# Altium PCB cheriot-test.PcbDoc (part 6 of 10) (continued)
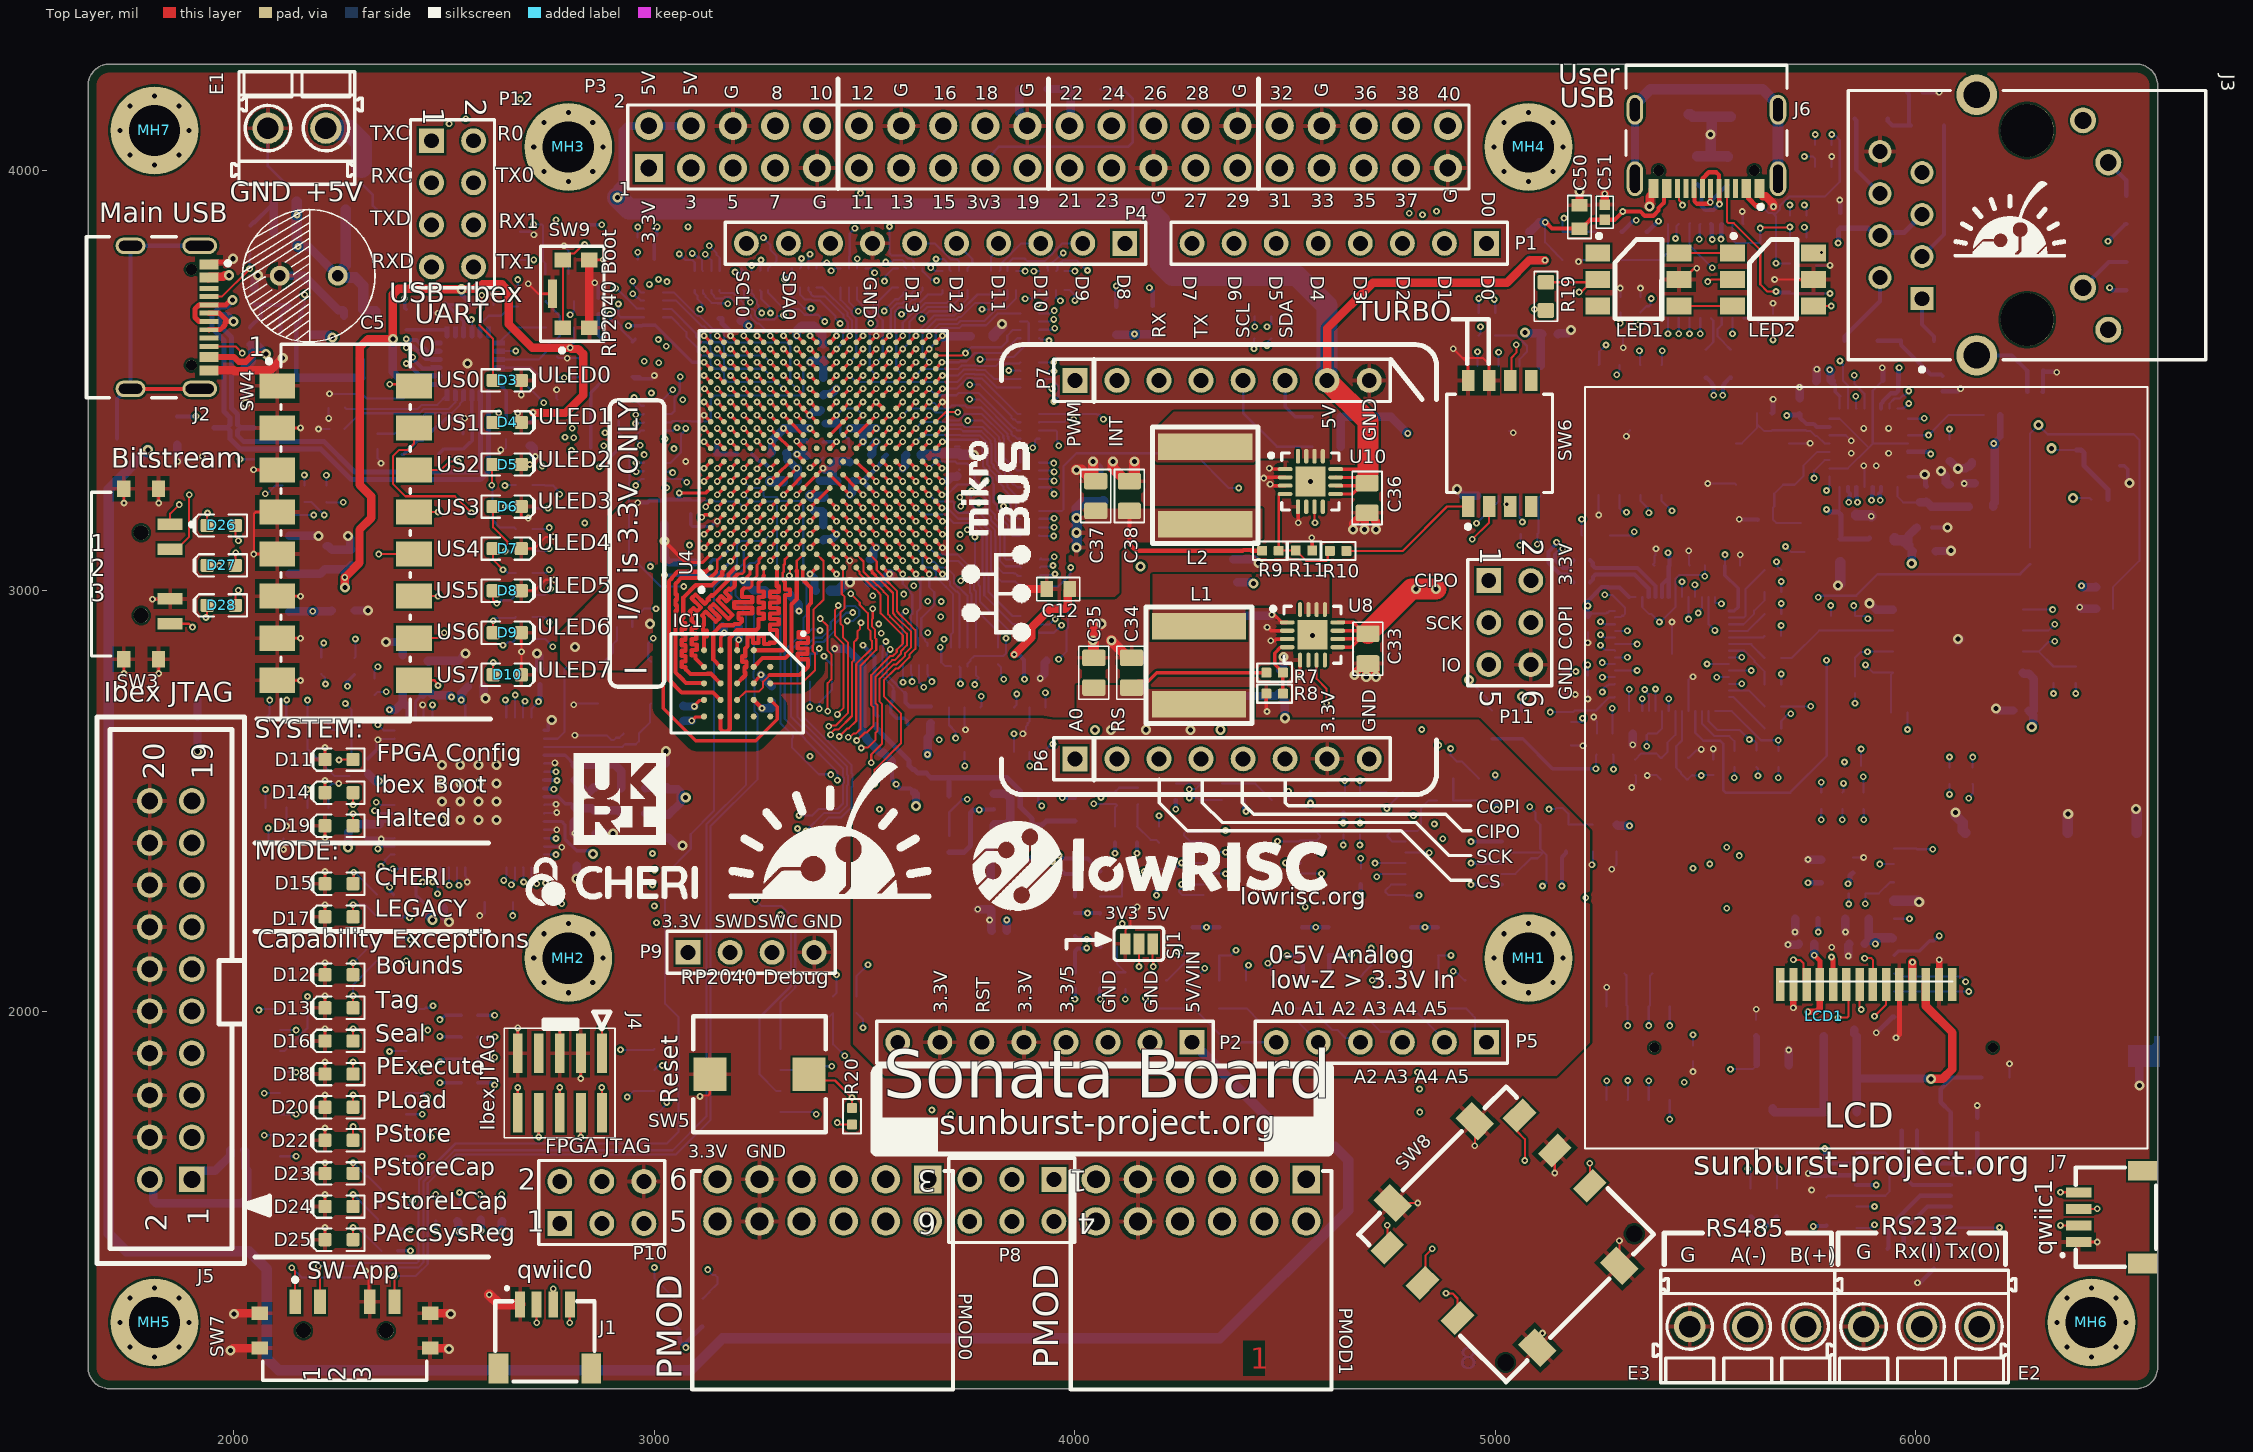
[diagram p0: Top Layer view]
## Nets (pads, with @x,y where several pads share a name; then routed paths per layer and width w, separated by ;. In a path a pad name is that pad's centre, name@x,y a point inside that pad or via, vN(x,y) a via of type N, cw(c..) or ccw(c..) an arc to the next point about the centre after c; other vN are vias at no path point) (continued)
  Bottom Layer w10: C116.1@1722.05,3362.2 1722.05,3455.64 1746.33,3479.92 J2.4@1754.13,3479.92 J2.3@1754.13,3820.08 J2.1@1918.7,3820.08
NetC118_1: C118.1 J3.13 J3.14 R135.1 | length 817.2
  Int3 (Sign) w50: J3.14@6144.49,3559.45 6144.49,3812.08 6158,3825.59 6158,4153.44 6144.49,4166.96 J3.13@6144.49,4179.53
  Bottom Layer w10: J3.14@6144.49,3559.45 6227.95,3559.45 R135.1@6263.78,3523.62 6264.57,3522.83 6264.57,3473.23 C118.1@6265.35,3472.44
NetC119_2: C119.2 R198.1 R204.1 | length 146.9
  Bottom Layer w10: R204.1@5933.07,4122.05 5933.07,4117.05 5943.82,4106.3 R198.1@5988.19,4106.3 5983.86,4110.63 5983.86,4180.71 C119.2@5979.53,4185.04
NetC142_2: C142.2 R196.1 R197.1 | length 194.2
  Bottom Layer w10: R197.1@5909.45,3594.49 R196.1@5964.57,3594.49 5964.57,3584.65 6035.39,3513.82 6059.41,3513.82 C142.2@6062.99,3510.24
NetD3_A: D3.A R138.2 | length 729.5
  Top Layer w5: v1(2589.71,3702.51) 2589.33,3702.13 2589.33,3671.41 2584,3666.08 2584,3631.05 2616.54,3598.51 D3.A@2616.54,3500
  Int6 (Sign) w5: v1(2589.71,3702.51) 2589.33,3702.13 2589.33,3668.88 2584,3663.55 2584,3626 2650,3560 2650,3328.35 2644.5,3322.85 v1(2644.5,3250)
  Bottom Layer w5: v1(2644.5,3250) 2645.63,3251.13 R138.2@2670.65,3251.13
NetD4_A: D4.A R140.2 | length 291.9
  Top Layer w5: D4.A@2616.54,3400 2627.92,3411.39 2627.92,3420.42 v1(2630,3422.5)
  Int6 (Sign) w5: v1(2630,3422.5) 2619,3411.5 2619,3321.25 2629,3311.25 2629,3216.28 v1(2645.28,3200)
  Bottom Layer w5: v1(2645.28,3200) 2669.46,3200 R140.2@2670.65,3198.81
NetD5_A: D5.A R142.2 | length 198.4
  Top Layer w5: v1(2613.5,3251) 2613.5,3296.96 D5.A@2616.54,3300
  Bottom Layer w5: v1(2613.5,3251) 2615,3249.5 2615,3168 2633,3150 2667.14,3150 R142.2@2670.65,3146.49
NetD6_A: D6.A R144.2 | length 148.3
  Top Layer w5: D6.A@2616.54,3200 2616.54,3150.46 2650.83,3116.17 2650.83,3111.17 2647.39,3107.74 2647.39,3096.28 v1(2645.28,3094.17)
  Bottom Layer w5: v1(2645.28,3094.17) R144.2@2671.28,3094.17
NetD7_A: D7.A R147.2 | length 93.7
  Top Layer w5: D7.A@2616.54,3100 2616.54,3073.46 v1(2640,3050)
  Bottom Layer w5: v1(2640,3050) 2642.98,3050 2651.12,3041.86 R147.2@2670.65,3041.86
NetD8_A: D8.A R149.2 | length 87.3
  Top Layer w5: D8.A@2616.54,3000 2616.54,2978.46 v1(2625,2970)
  Bottom Layer w5: v1(2625,2970) 2627.98,2970 2635.08,2977.1 2658.21,2977.1 R149.2@2670.65,2989.54
NetD9_A: D9.A R151.2 | length 86.4
  Top Layer w5: D9.A@2616.54,2900 2616.54,2921.78 v1(2616.54,2928.75)
  Bottom Layer w5: v1(2616.54,2928.75) 2622.79,2935 2668.43,2935 R151.2@2670.65,2937.22
NetD10_A: D10.A R153.2 | length 269.3
  Top Layer w5: D10.A@2616.54,2800 2616.54,2821.78 v1(2616.54,2829.28)
  Int6 (Sign) w5: v1(2616.54,2829.28) 2617.07,2828.75 2655.25,2828.75 2672,2812 2725,2812 2758.46,2845.46 v1(2758.46,2866.54)
  Bottom Layer w5: R153.2@2710.02,2884.91 2740.09,2884.91 v1(2758.46,2866.54)
NetD11_A: D11.A R156.2 | length 367.8
  Top Layer w5: v1(2250.03,2597.41) 2251.05,2598.43 D11.A@2283.46,2598.43
  Int6 (Sign) w5: v1(2214,2875.5) 2214,2844 2249.78,2808.22 2249.78,2707.28 2254.72,2702.34 2254.72,2653.71 2250.03,2649.02 v1(2250.03,2597.41)
  Bottom Layer w5: R156.2@2207.86,2840.98 2207.86,2866.38 2214,2872.52 v1(2214,2875.5)
NetD12_A: D12.A R139.2 | length 109.3
  Top Layer w5: D12.A@2283.46,2086.61 2283.46,2108.4 v1(2283.46,2115.36)
  Bottom Layer w5: v1(2283.46,2115.36) 2283.46,2115.47 R139.2@2340.32,2172.32
NetD13_A: D13.A R141.2 | length 135.7
  Top Layer w5: D13.A@2283.46,2007.87 2283.46,2029.66 v1(2283.46,2036.62)
  Bottom Layer w5: v1(2283.46,2036.62) 2283.46,2063.15 R141.2@2340.32,2120
NetD14_A: D14.A R158.2 | length 478.4
  Top Layer w5: v1(2283.46,2490.94) 2283.46,2497.9 D14.A@2283.46,2519.68
  Int6 (Sign) w5: v1(2283.46,2490.94) 2283.46,2493.91 2274.96,2502.42 2274.96,2719.49 2289,2733.53 v1(2289,2885)
  Bottom Layer w5: R158.2@2286.65,2839.68 2289,2842.03 v1(2289,2885)
NetD15_A: D15.A R155.2 | length 105
  Top Layer w5: D15.A@2283.46,2303.15 2285.12,2304.81 v1(2285.12,2330.24)
  Bottom Layer w5: v1(2285.12,2330.24) 2287.24,2330.24 R155.2@2340.32,2277.16
NetD16_A: D16.A R143.2 | length 299.2
  Top Layer w5: D16.A@2283.46,1929.13 2283.46,1950.92 v1(2283.46,1957.88)
  Int6 (Sign) w5: v1(2283.46,1957.88) 2364.66,1957.88 2386.78,1980 v1(2490,1980)
  Bottom Layer w8: v1(2490,1980) 2492.16,1980 2502.16,1990 R143.2@2540.63,1990
NetD17_A: D17.A R157.2 | length 97.3
  Top Layer w5: D17.A@2283.46,2224.41 2283.46,2246.19 v1(2283.46,2253.16)
  Bottom Layer w5: v1(2283.46,2253.16) 2312,2253.16 R157.2@2340.32,2224.84
NetD18_A: D18.A R145.2 | length 311.8
  Top Layer w5: D18.A@2283.46,1850.39 2283.46,1872.18 v1(2283.46,1879.14)
  Int6 (Sign) w5: v1(2283.46,1879.14) 2429.14,1879.14 v1(2490,1940)
  Bottom Layer w8: v1(2490,1940) 2491.16,1938.84 2539.16,1938.84 R145.2@2540.32,1937.68
NetD19_A: D19.A R159.2 | length 546
  Top Layer w5: D19.A@2283.46,2440.94 2283.46,2462.73 v1(2283.46,2469.69)
  Int6 (Sign) w5: v1(2283.46,2469.69) 2318.21,2434.95 2365.95,2434.95 2382,2451 2382,2489.78 2304.96,2566.82 2304.96,2707.07 2326.62,2728.73 2330.73,2728.73 2361.54,2759.54 v1(2362.2,2759.54)
  Bottom Layer w5: R159.2@2334.65,2751.97 2341.9,2759.23 2361.9,2759.23 v1(2362.2,2759.54)
NetD20_A: D20.A R146.2 | length 311.4
  Top Layer w5: D20.A@2283.46,1771.65 2283.46,1793.44 v1(2283.46,1800.4)
  Int6 (Sign) w5: v1(2283.46,1800.4) 2410.4,1800.4 v1(2490,1880)
  Bottom Layer w8: 2497.53,1885.37 R146.2@2540.63,1885.37
NetD22_A: D22.A R148.2 | length 332.7
  Top Layer w5: D22.A@2283.46,1692.91 2283.46,1714.7 v1(2283.46,1725.5)
  Int6 (Sign) w5: v1(2283.46,1725.5) 2350.5,1725.5 2455,1830 2480,1830
  Int6 (Sign) w8: 2480,1830 v1(2490,1830)
  Bottom Layer w8: v1(2490,1830) R148.2@2540.32,1830
NetD23_A: D23.A R150.2 | length 159.9
  Top Layer w5: D23.A@2283.46,1614.17 2283.46,1635.96 v1(2283.46,1639.5)
  Bottom Layer w5: v1(2283.46,1639.5) 2316.23,1606.73 2319.65,1606.73 2350.32,1576.07 R150.2@2350.32,1534.63
NetD24_A: D24.A R152.2 | length 138.3
  Top Layer w5: D24.A@2283.46,1535.43 2283.46,1557.22 v1(2283.46,1564.18)
  Bottom Layer w5: v1(2283.46,1564.18) 2343.04,1504.6 2343.04,1489.59 R152.2@2350.32,1482.32
NetD25_A: D25.A R154.2 | length 118.9
  Top Layer w5: D25.A@2283.46,1456.69 2283.46,1478.48 v1(2283.46,1485.44)
  Bottom Layer w5: v1(2283.46,1485.44) 2285.57,1483.34 2297.29,1483.34 R154.2@2350.63,1430
NetD26_A: D26.A R200.1 | length 339.7
  Top Layer w5: D26.A@2003.46,3155 2003.46,3129.23 2010.82,3121.87 v1(2010.82,3118.9)
  Int6 (Sign) w5: v1(2010.82,3118.9) 2043.91,3151.99 2043.91,3166.7 2057.21,3180 v1(2190,3180)
  Bottom Layer w5: R200.1@2115.37,3210.89 2146.25,3180 v1(2190,3180)
NetD27_A: D27.A R201.1 | length 340.8
  Top Layer w5: D27.A@2003.46,3060 2003.46,3081.78 2002.75,3082.5 2002.75,3088.44 v1(2004.37,3090.06)
  Int6 (Sign) w5: v1(2004.37,3090.06) 2004.37,3092.32 2011.34,3099.28 2014,3099.28 2014,3100.14 2019.86,3106 2020.72,3106 2076.72,3162 2197,3162 v1(2215,3180)
  Bottom Layer w5: R201.1@2167.68,3210.89 2184.11,3210.89 v1(2215,3180)
NetD28_A: D28.A R202.1 | length 488.9
  Top Layer w5: D28.A@2003.46,2965 2003.46,2990.77 2010.82,2998.13 v1(2010.82,3001.1)
  Int6 (Sign) w5: v1(2010.82,3001.1) 2010.82,3034.59 2003.46,3041.95 2003.46,3072.46 2005.56,3074.56 2010.79,3074.56 2019.87,3083.64 2019.87,3088.87 2083,3152 2226,3152 2265.5,3191.5 2265.5,3196.5 2262.1,3199.9 2262.1,3207.9 v1(2260,3210)
  Bottom Layer w5: R202.1@2220,3210.32 2220.32,3210 v1(2260,3210)
NetE1_A1: E1.A1 Q4.3 | length 157.4
  Bottom Layer w50: E1.A1@2218.9,4100 2223.64,4095.25 2273.86,4095.25 2303.15,4065.96 Q4.3@2303.15,4006.89
NetE2_A2: E2.A2 U7.8 | length 444
  Int6 (Sign) w8: E2.A2@6015.75,1245.86 6015.75,1322.83 6178.35,1485.43 v1(6198.83,1485.43)
  Bottom Layer w6: U7.8@6082.68,1484.25 6083.27,1484.84 6198.24,1484.84 v1(6198.83,1485.43)
NetE2_A3: E2.A3 U7.13 | length 691.1
  Int6 (Sign) w8: v1(5905.51,1586.61) 5975.6,1586.61 6022.84,1539.37 6168.93,1539.37 6218,1490.3 6218,1395.17 6149.61,1326.77 E2.A3@6149.61,1227.14
  Bottom Layer w10: U7.13@5858.27,1586.61 v1(5905.51,1586.61)
NetE3_A2: E3.A2 R40.2 U3.6 | length 961.6
  Int6 (Sign) w5: v1(5314.59,1965.74) 5314.59,1906.18 5380.09,1840.68 5380.09,1469.91 E3.A2@5600,1250
  Bottom Layer w5: R40.2@5306.54,2090 5311.77,2084.76 5311.77,2014.04 U3.6@5314.59,2011.22 v1(5314.59,1965.74)
NetE3_A3: E3.A3 R40.1 U3.7 | length 998.3
  Int6 (Sign) w5: v1(5364.59,1965.74) 5399.09,1931.24 5399.09,1588.7 E3.A3@5737.8,1250
  Bottom Layer w5: v1(5364.59,1965.74) 5364.59,1972.7 U3.7@5364.59,2011.22 5367.82,2014.45 5367.82,2084.36 R40.1@5373.46,2090
NetJ2_A5: J2.A5 R1.1 | length 160.2
  Top Layer w5: J2.A5@1941.34,3699.21 1971.48,3699.21 2037.35,3765.09 v1(2037.35,3765.35)
  Bottom Layer w5: v1(2037.35,3765.35) 2037.35,3799.16 R1.1@2039.37,3801.18
NetJ2_B5: J2.B5 R4.1 | length 343.2
  Top Layer w5: J2.B5@1941.34,3581.1 2003.9,3581.1 v1(2020,3565)
  Int6 (Sign) w5: v1(1910,3415) 1937,3415 2020,3498 v1(2020,3565)
  Bottom Layer w5: R4.1@1864.56,3413.9 R4.1@1865,3413.46
  Bottom Layer w10: R4.1@1864.56,3413.9 1908.9,3413.9 v1(1910,3415)
NetJ3_10: J3.10 R136.2 | length 127.6
  Bottom Layer w10: J3.10@6397.64,3720.47 6458.66,3781.5 R136.2@6500,3781.5
NetJ3_11: J3.11 R137.2 | length 97.1
  Bottom Layer w10: J3.11@6457.48,4018.5 6500,3975.98 R137.2@6500,3938.98
NetJ5_2: J5.2 SJ2.2 | length 401.6
  Bottom Layer w20: J5.2@1800,1600 1807.85,1592.15 1807.85,1550.42 1814.96,1543.31 2019.78,1543.31 2031.5,1555.02 2031.5,1622.05 2026.59,1626.95 2026.59,1666.79 SJ2.2@2024.09,1669.29
NetJ6_A5: J6.A5 R22.2 R24.1 | length 498.8
  Top Layer w5: J6.A5@5551.18,3956.69 5551.18,3876.94 5554.11,3874.02 5566.93,3874.02 5629.92,3811.02 5629.92,3728.35 5646.73,3711.54 v1(5667.31,3711.54)
  Bottom Layer w5: v1(5667.31,3711.54) v1@5670.29,3711.54 ; R22.2@5700,3711.54 5674.28,3711.54 v1@5670.29,3711.54 ; R24.1@5763.07,3706.54 v1@5788.79,3706.54 ; v1(5795.75,3706.54) v1@5788.79,3706.54 ; v1@5670.29,3711.54 5675.29,3706.54 v1@5788.79,3706.54
NetJ6_B5: J6.B5 R26.2 R28.1 | length 477.5
  Top Layer w5: J6.B5@5433.07,3956.69 5436.48,3953.29 5436.48,3928.41 5444.95,3919.93 v1(5444.95,3916.95)
  Int6 (Sign) w5: v1(5163,3886) 5190,3859 5387,3859 5391.1,3863.1 5394.34,3863.1 5403.42,3872.18 5403.42,3875.42 v1(5444.95,3916.95)
  Bottom Layer w5: v1(5163,3886) 5160,3883 R26.2@5160,3853.46 5196.54,3853.46 R28.1@5240,3853.46
NetL1_1: L1.1 U8.13 U8.14 U8.15
NetL2_1: L2.1 U10.13 U10.14 U10.15
NetL7_2: L7.2 R82.1 | length 136.4
  Bottom Layer w5: v1(5127.54,2480.54) 5127.97,2480.97 5143.04,2480.97 5145.54,2483.47 5159.67,2483.47 5173.46,2469.67 R82.1@5173.46,2443.95 L7.2@5231.26,2443.95
NetLCD1_3: LCD1.3 R130.1 R131.1 R132.1 | length 662.5
  Top Layer w20: LCD1.3@6023.62,2062.99 6023.78,2062.84 6023.78,2011.65 6086.61,1948.82 6086.61,1862.2 6063.76,1839.35 6036.2,1839.35 v2(6035.43,1838.58)
  Bottom Layer w20: R130.1@5853.62,1955.59 5853.62,1945.75 R130.1@5859.37,1940 R132.1@5859.37,1840 ; R131.1@5859.37,1760 R132.1@5859.37,1840 ; v2(6035.43,1838.58) 6034.35,1838.58 6032.93,1840 R132.1@5859.37,1840
NetLED1_2: LED1.2 LED2.2 R19.1 R192.1 | length 1677.6
  Top Layer w5: R19.1@5120,3733.46 LED1.2@5227.17,3733.46 ; v1(5199,3710) 5203.7,3710 LED1.2@5227.17,3733.46 ; LED1.2@5243.54,3740 5233.7,3740 LED1.2@5227.17,3733.46 ; v1(5505,3735) 5507.98,3735 5512.98,3740 LED2.2@5563.54,3740
  Int6 (Sign) w5: v1(5199,3710) 5199,3726 5208,3735 v1(5505,3735) 5564.21,3735 5700.79,3598.43 5913.5,3598.43 6291.45,3220.47 v2(6374.02,3220.47)
  Bottom Layer w5: v2(6374.02,3220.47) 6413.39,3220.47 R192.1@6417.32,3216.54
NetLED1_4: LED1.4 LED2.3 | length 127.1
  Top Layer w5: LED1.4@5436.46,3677.01 LED2.3@5563.54,3677.01
NetLED1_6: LED1.6 LED2.1 | length 127.1
  Top Layer w5: LED1.6@5436.46,3802.99 LED2.1@5563.54,3802.99
NetLED2_4: LED2.4 LED2.6 Q3.3 R192.2 | length 1118.2
  Top Layer w5: LED2.4@5756.46,3677.01 5792.02,3677.01 v1(5798.99,3677.01) ; LED2.6@5756.46,3802.99 5757.65,3804.18 v1(5775.61,3804.18)
  Int4 (Sign) w5: v1(5775.61,3804.18) 5776.97,3802.82 5791.11,3802.82 5834,3759.94 5834,3712.02 v1(5798.99,3677.01)
  Int6 (Sign) w5: v1(5798.99,3677.01) 5890.62,3677.01 6090.8,3476.82 6090.8,3473.89 6099.88,3464.82 6102.81,3464.82 6229.04,3338.58 v2(6322.83,3338.58)
  Bottom Layer w5: v2(6322.83,3338.58) 6326.77,3334.65 Q3.3@6381.89,3334.65
  Bottom Layer w12: Q3.3@6381.89,3334.65 6392.72,3334.65 6399.51,3327.85 6399.51,3297.34 6456.69,3240.16 R192.2@6456.69,3216.54
NetP2_4: P2.4 SJ1.2 | length 375.3
  Top Layer w5: v1(4152.44,2106.01) 4152.44,2120.96 SJ1.2@4152.43,2160
  Int6 (Sign) w5: P2.4@3978.74,1925.98 3978.74,2050.74 4034.01,2106.01 v1(4152.44,2106.01)
NetP9_2: P9.2 U11.25 | length 2744.4
  Int1 (Sign) w5: P9.2@3180,2140 3217.03,2177.03 3395.34,2177.03 3517.36,2055 4314.92,2055 4571.46,2311.54 4605.91,2311.54 4674.06,2379.69 4703.76,2379.69 4769.07,2445 v1(4855,2445)
  Int3 (Sign) w5: v1(4855,2445) 4856.92,2445 4866.92,2455 5277.35,2455 5376.43,2554.08 5376.43,2743.57 v1(5355,2765)
  Bottom Layer w5: v1(5355,2765) 5355,2762.84 5364.88,2752.96 U11.25@5364.88,2713.54
NetP9_3: P9.3 U11.24 | length 2663.9
  Int1 (Sign) w5: P9.3@3280,2140 3327.64,2140 3454.84,2012.8 4294.88,2012.8 4514.58,2232.5 4570.71,2232.5 4748.21,2410 v1(4875,2410)
  Int3 (Sign) w5: v1(4875,2410) 4886.06,2421.06 5275.92,2421.06 5386.43,2531.57 5386.43,2757.51 5380.63,2763.31 v1(5380.63,2766.29)
  Bottom Layer w5: U11.24@5380.63,2713.54 v1(5380.63,2766.29)
NetQ2_3: Q2.3 R130.2 R131.2 R132.2 | length 298.8
  Bottom Layer w20: Q2.3@5660,1768.82 5660,1762.8 5662.8,1760 R131.2@5780.63,1760 ; R131.2@5780.63,1768.98 R132.2@5780.63,1840 R130.2@5780.63,1940
NetR7_2: R7.2 R8.1 U8.4 | length 140.1
  Top Layer w8: R8.1@4494.69,2755 R7.2@4494.69,2805 4475.06,2824.62 4475.06,2851.22 4488.96,2865.12 4504.61,2865.12 U8.4@4504.96,2865.47
NetR9_2: R9.2 R10.1 R11.1 U10.4 | length 299.1
  Top Layer w5: U10.4@4500,3230 4488.52,3230 4484.69,3226.17 R9.2@4484.69,3095 4484.95,3095.27 4524.87,3095.27 R11.1@4525.14,3095.54 4549.81,3070.87 4598.43,3070.87 4601.35,3073.8 4601.35,3089.54 R10.1@4606.3,3094.49
NetR10_2: R10.2 SW6.1 | length 333
  Top Layer w5: R10.2@4645.67,3094.49 4779.53,3094.49 4885.04,3200 SW6.1@4935,3200
NetR12_1: R12.1 U12.16 | length 109.2
  Bottom Layer w5: U12.16@2630.83,3530 2706.93,3530 R12.1@2730.32,3506.61
NetR15_2: R15.2 SW6.3 U8.7 U10.7 | length 1355
  Top Layer w5: U10.7@4569.88,3199.49 4569.88,3162.4 v1(4570.87,3161.42) ; U8.7@4574.84,2834.96 4574.84,2790.16 4598.43,2766.57 v1(4598.43,2732.28) ; v1(5027.14,3205.59) 5027.14,3187.86 SW6.3@5035,3180
  Int3 (Sign) w5: v1(4598.43,2732.28) 4598.43,2926.69 4606.3,2934.56 4606.3,3125.98 v1(4570.87,3161.42) 4641.73,3232.28 4727.72,3232.28 4754.41,3205.59 5169.41,3205.59 v1(5205,3170)
  Bottom Layer w5: v1(5205,3170) 5205,3132.32 R15.2@5205.83,3131.5
NetR16_1: R16.1 U12.24 | length 257.3
  Bottom Layer w5: R16.1@2264.68,3435 2267.73,3431.95 2436.86,3431.95 2446.86,3441.95 2483.73,3441.95 U12.24@2506.94,3465.16
NetR17_2: R17.2 U12.14 | length 309
  Int6 (Sign) w5: v1(2670,3570) 2715.5,3615.5 2715.5,3751.33 2713.12,3753.71 v1(2713.12,3786.54)
  Bottom Layer w5: U12.14@2630.27,3569.37 2630.58,3569.68 2669.68,3569.68 v1(2670,3570) ; R17.2@2680.44,3786.54 2706.16,3786.54 v1(2713.12,3786.54)
NetR18_2: R18.2 U12.13 | length 126.5
  Bottom Layer w5: U12.13@2630.27,3589.06 2666.77,3625.56 R18.2@2741.67,3625.56
NetR21_1: R21.1 U7.12 U7.16 | length 320.8
  Bottom Layer w5: R21.1@5787.4,1557.09 5791.34,1561.02 U7.12@5858.27,1561.02 5927.17,1561.02 5937.01,1570.87 5937.01,1653.54 5927.17,1663.39 U7.16@5858.27,1663.39
NetR31_2: R31.2 R34.2 U13.1 | length 185.7
  Bottom Layer w5: R31.2@5300,3786.54 R34.2@5360,3786.54 5385.72,3786.54 5392.69,3786.54 5410.43,3804.28 U13.1@5410.43,3872.2
NetR37_2: R37.2 R38.1 U15.4 | length 344
  Int1 (Sign) w6: v1(3744.09,2503.94) 3763.78,2523.62 3818.9,2523.62 3854.33,2488.19 v1(3921.26,2488.19)
  Bottom Layer w6: R38.1@3700.79,2417.32 R37.2@3700.79,2472.44 3732.28,2503.94 v1(3744.09,2503.94) ; U15.4@3913.15,2517.4 3913.15,2496.59 3921.26,2488.48 v1(3921.26,2488.19)
NetR39_1: R39.1 U7.1 | length 269.2
  Bottom Layer w10: U7.1@6082.68,1663.39 6082.68,1759.84 6059.06,1783.46 6059.06,1814.96 6086.61,1842.52 R39.1@6155.51,1842.52
NetR42_1: R42.1 U5.14 | length 169.9
  Int6 (Sign) w5: v1(2740.91,2304.86) 2740.32,2305.45 2740.32,2368.69 2764.03,2392.4 2764.03,2408.63 v1(2765.91,2410.52)
  Bottom Layer w5: U5.14@2738.15,2411.73 2738.76,2411.13 2765.31,2411.13 v1(2765.91,2410.52) ; R42.1@2740.32,2280 2740.32,2297.85 2740.32,2304.27 v1(2740.91,2304.86)
NetR43_1: R43.1 U5.6 | length 484.1
  Int6 (Sign) w5: v1(2663.46,2227.31) 2626.23,2264.55 2626.23,2357.91 2617,2367.14 2617,2377 2682.35,2442.35 2682.35,2485.65 2766.1,2569.39 v1(2766.1,2569.58)
  Bottom Layer w5: v1(2663.46,2227.31) 2663.46,2234.28 R43.1@2663.46,2260 ; U5.6@2738.15,2569.21 2738.33,2569.4 2765.91,2569.4 v1(2766.1,2569.58)
NetR44_1: R44.1 U5.61 U16.3 | length 782.8
  Int3 (Sign) w5: v1(2175,2739.81) 2221.13,2739.81 2228.55,2747.23 2287.24,2747.23 2297.47,2737 2311.62,2737 2351.65,2737 2358.69,2744.04 2391.11,2744.04 2391.3,2743.85 2496.31,2743.85 2515.5,2724.66 2590.29,2724.66 2590.35,2724.59 2606.5,2724.59 2606.57,2724.66 2630.17,2724.66 v1(2645.67,2740.16)
  Bottom Layer w5: v1(2175,2739.81) U16.3@2175,2696.3 2175,2623.33 2238.86,2559.47 R44.1@2274.84,2559.47 ; v1@2646.69,2741.18 v1(2645.67,2740.16) 2647.66,2738.17 2647.66,2699.08 U5.61@2648.58,2698.15
NetR44_2: R44.2 R199.2 U16.4 | length 141
  Bottom Layer w5: U16.4@2225,2696.3 2225,2678.5 2234.31,2669.18 2271.13,2669.18 R199.2@2280,2660.32 R44.2@2280,2599.68
NetR53_1: R53.1 R54.2 U11.56 U18.1 | length 5467.1
  Int3 (Sign) w5: v1(3490,3945.48) 3490.48,3945 3752.09,3945 3855.77,3841.32 3855.77,3836.59 3913.06,3779.3 4034.12,3779.3 4038.42,3775 5075,3775 5123.5,3823.5 5253.5,3823.5 5300.33,3870.33 5305.63,3870.33 5314.71,3879.41 5314.71,3884.71 5346.64,3916.64 5346.64,3921.46 5358.06,3932.89 5362.89,3932.89 5373.5,3943.5 5467.51,3943.5 5507.2,3903.8 5539.27,3903.8 5552.6,3917.13 5562.56,3917.13 5644.86,3999.43 5644.86,4012.24 5700.55,4067.93 5747.07,4067.93 5750.32,4064.68 5750.32,3865.54 5823.91,3791.95 5823.91,3771.7 5895.98,3699.63 5910.13,3699.63 6205,3404.75 6205,3180 6065,3040 5842.63,3040 5831.32,3051.31 5798.6,3051.31 5787.29,3040 5718.94,3040 5620.69,3138.24 5620.69,3151.23 5561.95,3209.97 5522.39,3209.97 5502.42,3190 v1(5420,3190)
  Int4 (Sign) w8: v1(3007,3865) 3087,3945 3489.52,3945 v1(3490,3945.48)
  Int6 (Sign) w5: v1(5420,3190) 5537.5,3072.5 v1(5537.5,2968.57)
  Bottom Layer w5: U18.1@5395,3227.26 5395,3214.1 5419.1,3190 v1(5420,3190) ; U11.56@5522.36,2985.19 5522.36,2972.4 5523.8,2970.96 5532.13,2970.96 5534.52,2968.57 v1(5537.5,2968.57)
  Bottom Layer w8: R54.2@2999.68,3787.68 R53.1@2999.68,3840 3005.47,3845.78 3005.47,3863.47 v1(3007,3865)
NetR53_2: R53.2 SW9.1 SW9.2 | length 396.4
  Top Layer w5: SW9.1@2782.5,3625.29 SW9.2@2782.5,3786.71 2797.72,3801.93 2809.69,3801.93 2830.76,3823 v1(2834,3823)
  Int6 (Sign) w5: v1(2834,3823) 2918.5,3823 v1(2960.32,3864.81)
  Bottom Layer w5: R53.2@2960.32,3840 2960.32,3857.85 v1(2960.32,3864.81)
NetR55_2: R55.2 U11.2 | length 168.9
  Bottom Layer w5: U11.2@5555.83,2935.98 5590.98,2935.98 5595,2940 5595,3003.95 R55.2@5640.31,3049.27
NetR57_2: R57.2 U11.3 | length 131.9
  Bottom Layer w5: U11.3@5555.83,2920.23 5590.23,2920.23 5615.27,2945.27 5615.27,2952.44 5640.31,2977.48 R57.2@5640.31,2996.95
NetR59_2: R59.2 U11.4 | length 101.1
  Bottom Layer w5: U11.4@5555.83,2904.48 5600.16,2904.48 R59.2@5640.31,2944.63
NetR60_2: R60.2 U11.5 | length 85.7
  Bottom Layer w5: U11.5@5555.83,2888.73 5636.42,2888.73 R60.2@5640,2892.32
NetR61_2: R61.2 U11.6 | length 98.8
  Bottom Layer w5: U11.6@5555.83,2872.99 5608.58,2872.99 5608.58,2871.42 R61.2@5640,2840
NetR62_2: R62.2 U19.7 | length 140.3
  Bottom Layer w5: R62.2@4999.69,3607.22 5049.5,3607.22 5075,3581.72 5075,3568.01 5057.53,3550.54 U19.7@5057.53,3534.55
NetR63_2: R63.2 U11.7 | length 136.9
  Bottom Layer w5: U11.7@5555.83,2857.24 5592.76,2857.24 5616.54,2833.46 5616.54,2830.62 5640.31,2806.84 R63.2@5640.31,2776.95
NetR64_2: R64.2 U19.3 | length 711.7
  Int6 (Sign) w5: v1(4955,3160) 4974.25,3179.25 4974.25,3427.75 4925,3477 4925,3610.13 4992,3677.12 4992,3684.22 4997.38,3689.6 v1(4997.38,3692.58)
  Bottom Layer w5: v1(4955,3160) 4955.12,3160 5007.53,3212.41 U19.3@5007.53,3225.45 ; v1(4997.38,3692.58) 4999.48,3690.47 4999.48,3679.59 4999.69,3679.39 R64.2@4999.69,3660
NetR65_2: R65.2 U11.13 | length 100.3
  Bottom Layer w5: U11.13@5555.83,2762.75 5602.2,2762.75 R65.2@5640.31,2724.63
NetR66_2: R66.2 U11.14 | length 115.4
  Bottom Layer w5: U11.14@5555.83,2747 5565.63,2747 R66.2@5640.31,2672.32
NetR67_1: R67.1 U11.32 U19.1 | length 588.1
  Int6 (Sign) w5: v1(5099.69,3110.25) 5135,3074.94 5135,2828.33 5180.89,2782.43 5242.63,2782.43 v1(5254.44,2794.25)
  Bottom Layer w5: v1(5099.69,3110.25) 5099.69,3117.21 R67.1@5099.69,3135.06 5102.3,3137.68 5102.3,3220.23 U19.1@5107.53,3225.45 ; v1(5254.44,2794.25) U11.32@5284.17,2794.25
NetR68_2: R68.2 U11.15 | length 204
  Bottom Layer w5: U11.15@5522.36,2713.54 5562.15,2713.54 5631.5,2644.18 v1(5672.83,2644.18) R68.2@5672.83,2619.37
NetR69_2: R69.2 U11.16 | length 177.3
  Bottom Layer w5: U11.16@5506.61,2713.54 5506.61,2689.31 5527.21,2668.7 5581.3,2668.7 5606.1,2643.9 5614.46,2643.9 5620.51,2637.85 R69.2@5620.51,2620
  other v1: 5604,2646
NetR70_2: R70.2 U11.17 | length 146.9
  Bottom Layer w5: U11.17@5490.87,2713.54 5490.87,2683.81 5491.19,2683.81 5521,2654 5556,2654 5568.19,2641.81 R70.2@5568.19,2619.37
NetR73_1: R73.1 U12.7 | length 99.6
  Bottom Layer w8: R73.1@2410,3620.32 2500.06,3620.32 2506.42,3613.96 U12.7@2506.94,3613.96
NetR74_1: R74.1 U12.11 | length 128.9
  Bottom Layer w5: 2585.68,3611.24 2585.68,3633.3 2606.18,3653.8 2635.43,3653.8 2657.26,3675.63 R74.1@2675,3675.63
NetR75_2: R75.2 R76.2 U20.3 | length 409.1
  Int6 (Sign) w5: v1(4245,2142) 4245,2194 4358.2,2307.2 v1(4358.2,2327.04)
  Bottom Layer w5: R75.2@4217.25,2073.46 4219.22,2073.46 R76.2@4278.35,2132.59 ; v1(4245,2142) 4254.41,2132.59 R76.2@4278.35,2132.59 ; R76.2@4280.31,2132.59 R76.2@4278.35,2132.59 ; U20.3@4305.83,2327.04 v1(4358.2,2327.04)
NetR78_1: R78.1 U20.1 U20.2 | length 547.9
  Int6 (Sign) w5: v1(4120,2028.3) 4135.3,2013 4181,2013 4219,2051 4219,2241.86 4234,2256.86 4234,2281.99 v1(4253.46,2301.45)
  Bottom Layer w5: v1(4120,2028.3) R78.1@4120,2053.11 ; v1(4253.46,2301.45) v1@4261.42,2301.45 ; U20.1@4305.83,2275.86 4255.38,2275.86 4247.68,2283.57 4247.68,2287.71 v1@4261.42,2301.45 ; U20.2@4305.83,2301.45 v1@4261.42,2301.45
NetR78_2: R78.2 R79.1 R80.1 | length 122.1
  Bottom Layer w5: R80.1@4060,2092.48 R78.2@4120,2092.48 ; R79.1@4099.69,2152.8 4099.69,2112.8 R78.2@4115.34,2097.14
NetR84_2: R84.2 R87.2 U20.5 | length 411.4
  Int6 (Sign) w5: v1(4358.2,2378.22) 4397,2339.42 4397,2159 v1(4383,2145)
  Bottom Layer w5: U20.5@4305.83,2378.22 v1(4358.2,2378.22) ; R84.2@4343.38,2073.46 R87.2@4343.38,2132.59 4370.59,2132.59 v1(4383,2145)
NetR85_1: R85.1 U20.6 U20.7 | length 545.5
  Int6 (Sign) w5: v1(4112.32,2208.3) 4143.3,2208.3 4177,2242 4205,2242 4224,2261 4224,2303 4246,2325 4253.79,2325 v1(4358.2,2429.4)
  Bottom Layer w5: v1(4112.32,2208.3) 4112.32,2215.26 R85.1@4112.32,2233.11 ; U20.6@4305.83,2403.81 4273.81,2403.81 4259.2,2418.42 4259.2,2422.56 4264.52,2427.88 4304.3,2427.88 U20.7@4305.83,2429.4 v1(4358.2,2429.4)
NetR85_2: R85.2 R86.1 R88.1 | length 117.9
  Bottom Layer w5: R88.1@4060,2272.48 R85.2@4112.32,2272.48 4112.32,2320.16 R86.1@4099.69,2332.8
NetR91_2: R91.2 R94.2 U20.10 | length 428.1
  Int6 (Sign) w10: v1(4504.59,2132.59) 4504.59,2296.27 v1(4586.54,2378.22)
  Bottom Layer w5: U20.10@4534.17,2378.22 v1(4586.54,2378.22)
  Bottom Layer w10: v1(4504.59,2132.59) R94.2@4540.31,2132.59 4541.85,2131.06 4541.85,2075 R91.2@4543.38,2073.46
NetR92_1: R92.1 U20.8 U20.9 | length 494.5
  Int6 (Sign) w5: v1(4200,2464.5) 4301.5,2464.5 4307,2459 4426.62,2459 v1(4481.8,2403.81)
  Bottom Layer w5: R92.1@4200,2439.68 v1(4200,2464.5) ; v1(4481.8,2403.81) U20.9@4534.17,2403.81 4535.85,2405.49 4574.98,2405.49 4582.86,2413.37 4582.86,2417.51 4572.65,2427.72 4535.85,2427.72 U20.8@4534.17,2429.4
NetR92_2: R92.2 R93.1 R95.1 | length 122
  Bottom Layer w5: R93.1@4150.13,2492 4148.91,2490.78 4148.91,2440.91 R95.1@4147.68,2439.68 4180.1,2407.26 4193.05,2407.26 R92.2@4200,2400.32
NetR98_2: R98.2 R101.2 U20.12 | length 390.9
  Int6 (Sign) w10: v1(4586.54,2327.04) 4658,2255.58 v1(4658,2134)
  Bottom Layer w5: U20.12@4534.17,2327.04 v1(4586.54,2327.04)
  Bottom Layer w10: R98.2@4606.45,2073.46 4604.91,2075 4604.91,2131.54 R101.2@4603.38,2133.07 4657.07,2133.07 v1(4658,2134)
NetR99_1: R99.1 U20.13 U20.14 | length 275.2
  Int6 (Sign) w5: v1(4548,2248) 4548,2316 4588.54,2356.54 4599.8,2356.54 v1(4638.44,2395.19)
  Bottom Layer w5: U20.13@4534.17,2301.45 U20.14@4534.17,2275.86 4534.17,2261.83 v1(4548,2248) ; v1(4638.44,2395.19) 4638.44,2402.15 R99.1@4638.44,2420
NetR99_2: R99.2 R100.1 R102.1 | length 235.1
  Int6 (Sign) w5: v1(4677.81,2395.19) v1(4677.81,2447.5) 4707.5,2447.5 v1(4742,2482)
  Bottom Layer w5: v1(4677.81,2395.19) 4677.81,2402.15 R99.2@4677.81,2420 ; v1(4677.81,2447.5) 4677.81,2454.47 R102.1@4677.81,2472.32 ; v1(4742,2482) 4742,2483.38 R100.1@4779.69,2521.07
NetR105_2: R105.2 R108.2 U21.3 | length 376.6
  Int6 (Sign) w5: v1(4718.12,2319.88) 4759,2279.01 v1(4759,2133)
  Bottom Layer w5: v1(4718.12,2319.88) 4721.1,2319.88 4727.78,2326.56 U21.3@4786.58,2326.56 ; v1(4759,2133) 4759.41,2132.59 R108.2@4800,2132.59 4801.53,2131.06 4801.53,2075 R105.2@4803.07,2073.46
NetR106_1: R106.1 U21.1 U21.2 | length 670.1
  Int6 (Sign) w5: v1(4508,2523) 4733,2523 4781,2475 4781,2370.37 4818.39,2332.98 v1(4818.39,2275.38)
  Bottom Layer w5: R106.1@4508,2501.86 4508,2519.71 v1(4508,2523) ; U21.2@4786.58,2300.97 4752.23,2300.97 4738.52,2287.26 4738.52,2283.12 4745.01,2276.64 4785.32,2276.64 U21.1@4786.58,2275.38 v1(4818.39,2275.38)
NetR106_2: R106.2 R107.1 R109.1 | length 134.9
  Bottom Layer w5: R107.1@4350,2541.23 R109.1@4402.32,2541.23 4429.26,2541.23 R106.2@4468.63,2501.86
NetR112_2: R112.2 R115.2 U21.5 | length 423.1
  Int6 (Sign) w5: v1(4842.48,2376.83) 4858.17,2376.83 4894.5,2340.5 v1(4894.5,2132.59)
  Bottom Layer w5: U21.5@4786.58,2377.74 4787.04,2377.29 4842.02,2377.29 v1(4842.48,2376.83) ; R112.2@4866.13,2073.46 4864.6,2075 4864.6,2131.06 R115.2@4863.07,2132.59 v1(4894.5,2132.59)
NetR113_1: R113.1 U21.6 U21.7 | length 230.4
  Bottom Layer w5: U21.6@4786.58,2403.33 4755.43,2403.33 4743.43,2415.34 4743.43,2419.48 4752.88,2428.93 4814.93,2428.93 4823,2437 4823,2483.06 4841.32,2501.38 R113.1@4860.63,2501.38
NetR113_2: R113.2 R114.1 R116.1 | length 112.8
  Bottom Layer w5: R114.1@4899.69,2553.7 4899.84,2553.54 4899.84,2501.54 R113.2@4900,2501.38 R116.1@4960.31,2501.38
NetR122_1: R122.1 R123.1 Y2.3 | length 182.9
  Bottom Layer w8: R122.1@2848.43,3339.93 R123.1@2848.43,3403 2848.43,3470.63 2882.52,3504.72 Y2.3@2882.52,3508.66